# Altium PCB CU-ON-OFF-V2-08-11-18.PcbDoc (part 3 of 14)
Units mm, origin at the board's own origin, x right, y up, seen from the top; angles counter-clockwise.
Board outline 213 x 122.62 mm, 2 copper layers (Top Layer, Bottom Layer); 304 components, 53 nets, 991 pads, 702 vias.
Unrouted connection lines stored in the file: 1.
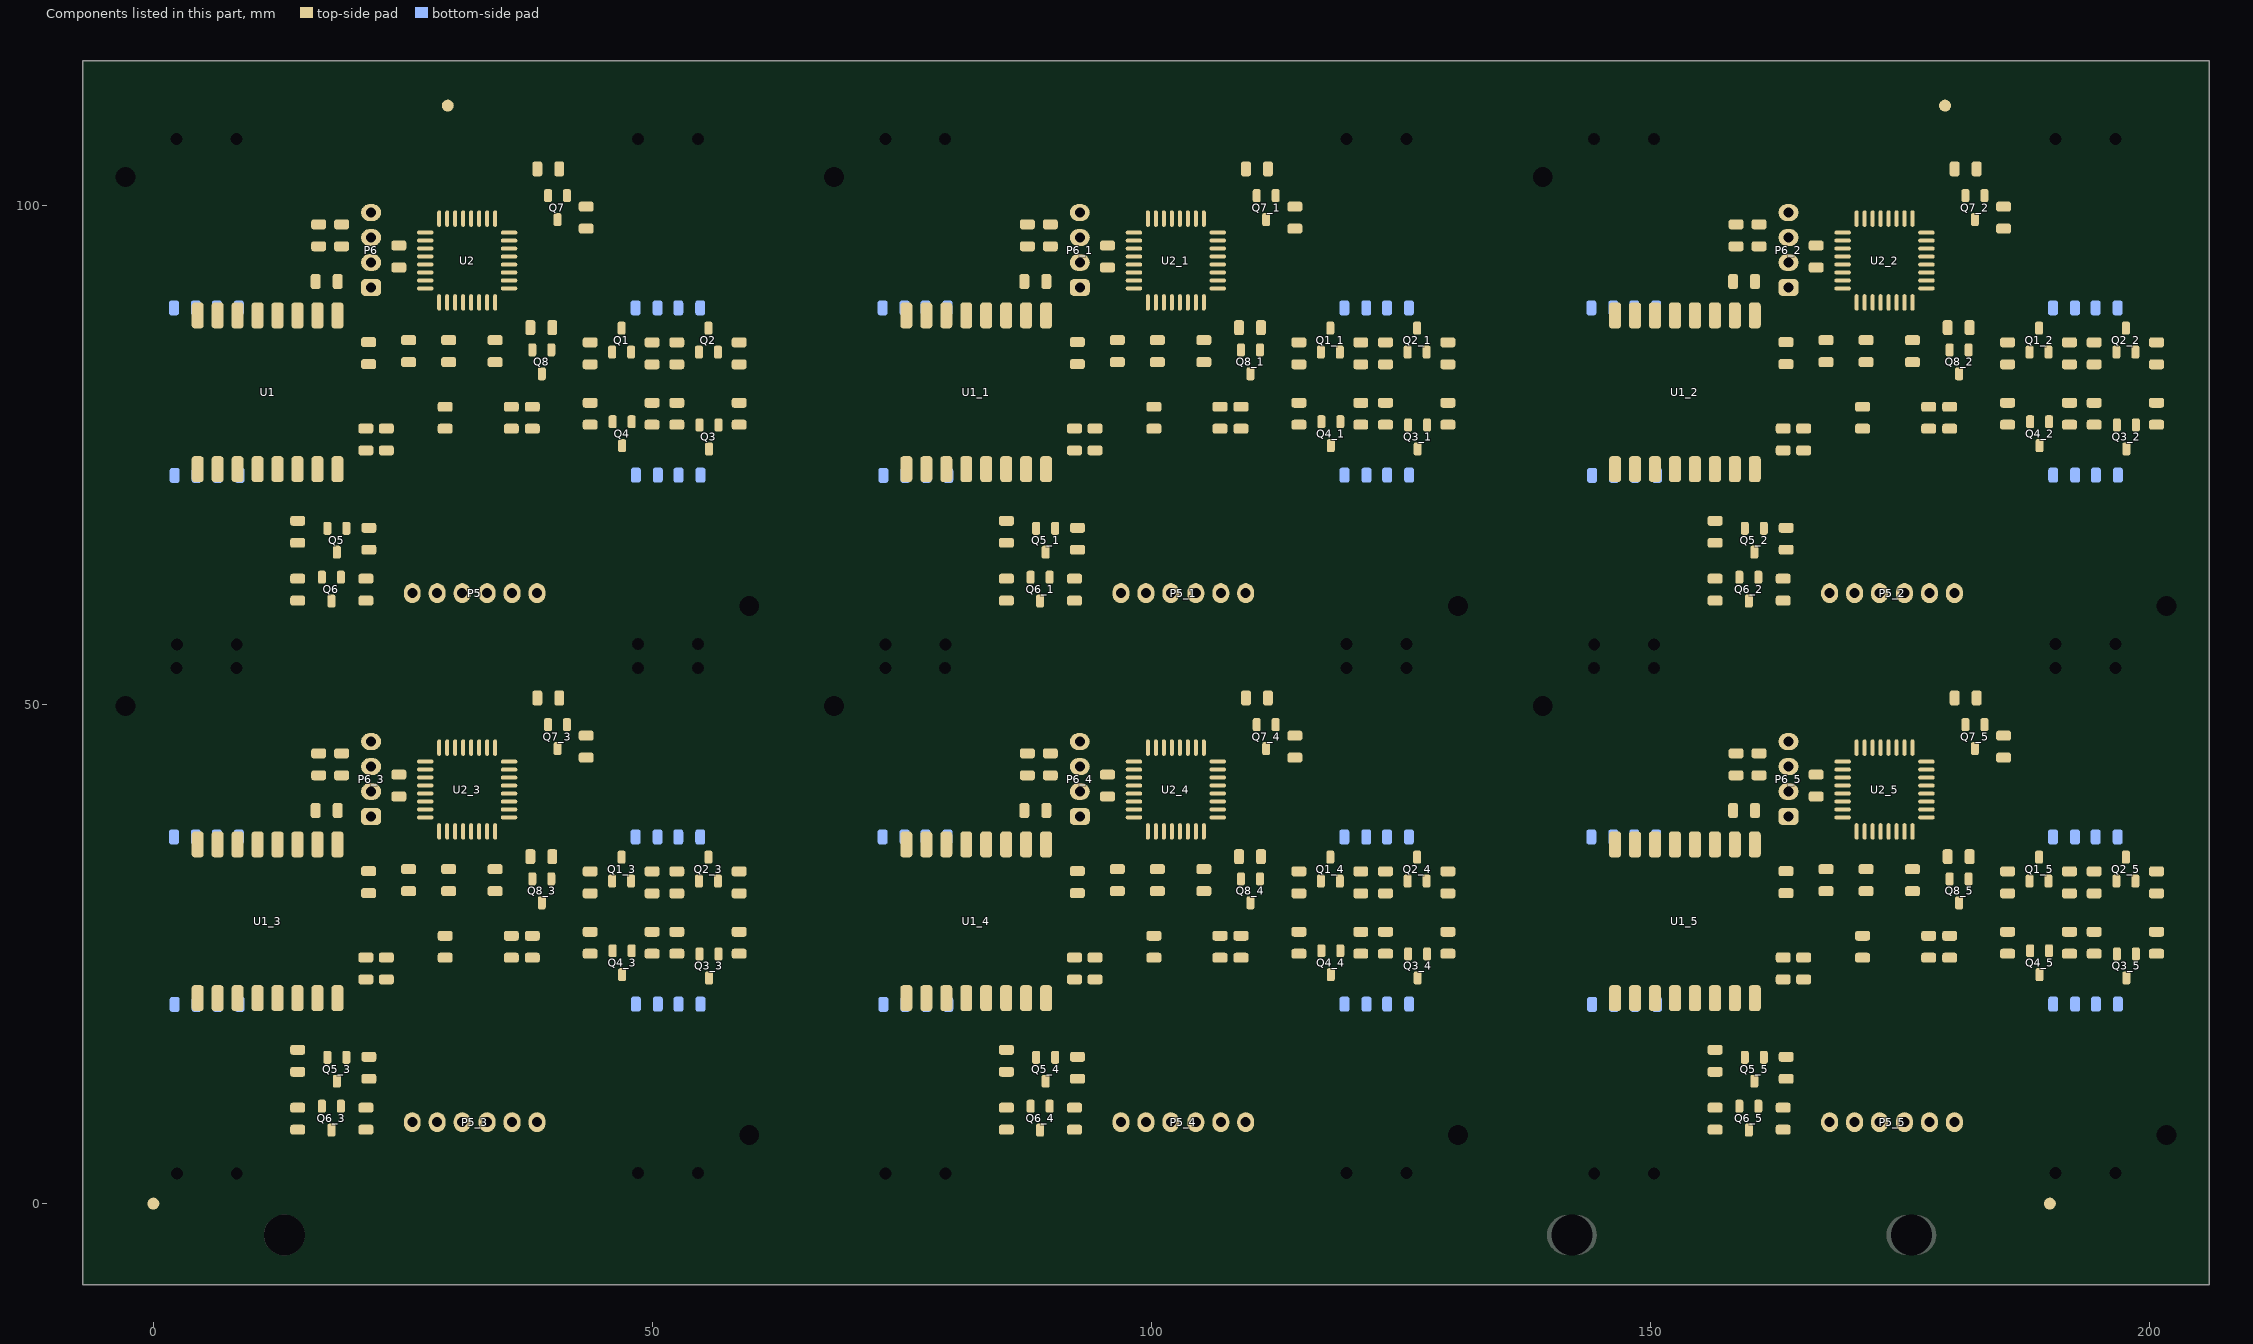
[diagram p3: the components of this part, seen from the top]

## Via types
v1: diameter 0.8, hole 0.5, Top Layer to Bottom Layer, 702 vias

## Nets (pads, with @x,y where several pads share a name; then routed paths per layer and width w, separated by ;. In a path a pad name is that pad's centre, name@x,y a point inside that pad or via, vN(x,y) a via of type N, cw(c..) or ccw(c..) an arc to the next point about the centre after c; other vN are vias at no path point) (continued)
copper on no net: (continued)
  Top Layer w0.4: 6.041,36.982 cw(c6.463,36.982) 6.165,37.281 6.441,37.557 ; 6.041,89.981 cw(c6.463,89.981) 6.165,90.28 6.441,90.556 ; 6.179,36.985 ccw(c5.684,37.557) 6.441,37.557 ; 6.691,35.982 6.441,36.232 6.441,37.557 ; 6.703,36.985 cw(c7.198,37.557) 6.441,37.557 ; 6.841,36.882 6.841,37.356 cw(c8.292,37.356) 7.266,38.382 ; 6.841,89.881 6.841,90.355 cw(c8.292,90.355) 7.266,91.381 ; 8.041,19.982 8.041,18.881 ccw(c9.065,18.881) 8.341,18.157 ccw(c8.884,18.7) 8.884,17.932 9.921,17.932 ; 8.041,36.957 cw(c9.127,36.957) 8.359,37.725 8.441,37.807 ; 8.041,72.981 8.041,71.88 ccw(c9.065,71.88) 8.341,71.156 ccw(c8.884,71.699) 8.884,70.931 9.921,70.931 ; 8.041,89.956 cw(c9.127,89.956) 8.359,90.724 8.441,90.806 ; 8.158,19.599 cw(c7.475,18.916) 8.441,18.916 cw(c9.407,18.916) 8.724,19.599 ; 8.158,36.965 ccw(c7.475,37.648) 8.441,37.648 ccw(c9.407,37.648) 8.724,36.965 ; v1@8.283,48.85 ccw(c8.283,49.273) v1@8.582,48.974 ; v1@8.308,13.825 ccw(c8.308,14.248) v1@8.607,13.949 ; v1@8.34,13.683 11.74,17.082 29.266,17.082 31.041,18.857 31.041,37.282 ; v1@8.346,48.838 ccw(c8.05,49.352) v1@8.636,49.257 ; v1@8.371,13.813 ccw(c8.074,14.327) v1@8.661,14.232 ; v1@8.481,48.756 cw(c8.969,48.474) v1@8.869,49.028 ; v1@8.506,13.731 cw(c8.994,13.449) v1@8.894,14.003 ; v1@8.508,13.625 cw(c9.051,13.625) v1@8.667,14.009 ; v1@8.633,49.225 cw(c8.15,49.225) 8.492,48.884 cw(c8.833,48.542) v1@8.833,49.025 ; v1@8.642,49.034 ccw(c9.026,48.65) 8.483,48.65 v1(8.833,49.225) 11.04,51.432 31.491,51.432 32.641,50.282 32.641,45.682 ; v1@8.658,14.2 cw(c8.175,14.2) 8.517,13.859 cw(c8.858,13.517) v1@8.858,14 ; 8.691,20.582 8.441,20.332 8.441,18.582 9.091,17.932 17.891,17.932 ; 8.691,35.982 8.441,36.232 8.441,37.807 ; v1@8.833,49.425 ccw(c8.833,49.908) 9.174,49.566 ccw(c9.516,49.225) v1@9.033,49.225 ; 8.841,20.157 8.841,18.73 ccw(c9.438,18.73) 9.016,18.307 ccw(c9.921,19.212) 9.921,17.932 ; 8.841,36.557 8.841,37.9 cw(c9.22,37.9) 8.952,38.168 cw(c9.891,37.229) 9.891,38.557 ; 8.841,73.156 8.841,71.728 ccw(c9.438,71.728) 9.016,71.306 ccw(c9.921,72.211) 9.921,70.931 ; 8.841,89.556 8.841,90.899 cw(c9.22,90.899) 8.952,91.167 cw(c9.891,90.228) 9.891,91.556 ; v1@8.858,14.4 ccw(c8.858,14.883) 9.199,14.541 ccw(c9.541,14.2) v1@9.058,14.2 ; v1@9.766,33.632 ccw(c9.102,34.296) 10.041,34.296 10.041,35.132 ; 9.766,86.631 ccw(c9.102,87.295) 10.041,87.295 10.041,88.131 ; v1@9.9,33.648 ccw(c8.592,34.956) 10.441,34.956 ; 10.041,21.357 10.041,22.716 cw(c11.407,22.716) 10.441,23.682 ; 10.041,74.356 10.041,75.715 cw(c11.407,75.715) 10.441,76.681 ; 10.158,21.565 ccw(c9.475,22.248) 10.441,22.248 ccw(c11.407,22.248) 10.724,21.565 ; 10.158,34.999 cw(c9.475,34.316) 10.441,34.316 cw(c11.407,34.316) 10.724,34.999 ; v1@10.182,33.366 ccw(c9.558,33.99) 10.441,33.99 ; v1@10.222,33.443 cw(c10.694,33.199) v1@10.89,33.693 ; 10.316,17.932 9.921,17.932 ; 10.316,70.931 9.921,70.931 ; v1@10.416,33.482 10.441,33.457 10.441,35.982 ; 10.441,33.929 ccw(c11.238,33.929) v1@10.675,33.366 ; 10.441,34.895 ccw(c12.204,34.895) v1@10.957,33.648 ; 10.641,22.732 10.641,23.53 cw(c11.068,23.53) 10.766,23.832 ; 10.641,75.731 10.641,76.529 cw(c11.068,76.529) 10.766,76.831 ; 10.691,20.582 10.441,20.832 10.441,23.682 ; 10.841,21.482 10.841,23.233 cw(c12.89,23.233) 11.441,24.682 ; 10.841,35.307 10.841,34.236 ccw(c11.695,34.236) v1@11.091,33.632 ; 10.841,74.481 10.841,76.232 cw(c12.89,76.232) 11.441,77.681 ; 10.841,88.306 10.841,87.235 ccw(c11.695,87.235) 11.091,86.631 ; 12.041,21.307 ccw(c11.981,21.367) 12.066,21.367 12.066,22.582 cw(c13.454,22.582) 12.473,23.564 12.916,24.007 ; 12.041,36.882 12.041,36.991 cw(c13.407,36.991) 12.441,37.957 ; 12.041,74.306 ccw(c11.981,74.366) 12.066,74.366 12.066,75.581 cw(c13.454,75.581) 12.473,76.563 12.916,77.006 ; 12.041,89.881 12.041,89.99 cw(c13.407,89.99) 12.441,90.956 ; 12.158,21.565 ccw(c11.475,22.248) 12.441,22.248 ccw(c13.407,22.248) 12.724,21.565 ; 12.158,36.965 ccw(c11.475,37.648) 12.441,37.648 ccw(c13.407,37.648) 12.724,36.965 ; 12.641,22.732 12.641,23.449 cw(c13.324,23.449) 12.841,23.932 ; 12.641,75.731 12.641,76.448 cw(c13.324,76.448) 12.841,76.931 ; 12.691,20.582 12.441,20.832 12.441,23.532 16.674,27.765 23.249,27.765 24.016,28.532 24.016,32.932 ; 12.691,35.982 12.441,36.232 12.441,37.957 ; 12.841,21.332 12.841,23.225 cw(c14.548,23.225) 13.341,24.432 ; 12.841,36.982 12.841,37.897 cw(c13.951,37.897) 13.166,38.682 ; 12.841,74.331 12.841,76.224 cw(c14.548,76.224) 13.341,77.431 ; 12.841,89.981 12.841,90.896 cw(c13.951,90.896) 13.166,91.681 ; 12.866,8.857 12.866,8.807 ccw(c13.966,8.807) 13.966,7.707 ; 12.866,13.657 12.866,13.837 cw(c14.136,13.837) 14.136,15.107 14.616,15.107 ; 12.866,61.006 12.866,60.326 ccw(c14.136,60.326) 14.136,59.056 14.566,59.056 ; 12.866,61.856 12.866,61.806 ccw(c13.966,61.806) 13.966,60.706 ; 12.866,66.656 12.866,66.836 cw(c14.136,66.836) 14.136,68.106 14.616,68.106 ; 12.866,67.731 cw(c13.841,67.731) 13.841,68.706 14.266,68.706 ; 12.916,14.782 cw(c13.821,13.877) 14.141,15.117 ; 13.411,15.277 cw(c14.024,14.664) 14.241,15.504 ; v1@13.791,10.657 13.791,9.457 ccw(c13.941,9.457) 13.941,9.307 ; v1@13.791,12.132 cw(c13.791,12.157) 13.766,12.157 13.766,13.382 cw(c13.891,13.382) 13.891,13.507 ; 13.791,12.657 14.941,12.657 ccw(c14.941,12.732) 15.016,12.732 ; 13.791,63.656 13.791,62.456 ccw(c13.941,62.456) 13.941,62.306 ; 13.791,65.131 cw(c13.791,65.156) 13.766,65.156 13.766,66.381 cw(c13.891,66.381) 13.891,66.506 ; 13.791,65.656 14.941,65.656 ccw(c14.941,65.731) 15.016,65.731 ; v1@13.942,10.522 cw(c13.6,10.181) 14.083,10.181 cw(c14.566,10.181) v1@14.224,10.522 ; v1@13.955,6.508 ccw(c13.42,7.407) 14.466,7.407 ; v1@13.955,12.308 ccw(c13.42,13.207) 14.466,13.207 ; v1@13.983,10.49 cw(c13.747,10.081) 14.203,10.203 ; 13.993,15.206 ccw(c13.541,14.798) 13.541,15.407 ; 13.993,15.608 cw(c13.541,16.016) 13.541,15.407 ; 14.004,7.195 ccw(c13.492,6.683) 13.492,7.407 ccw(c13.492,8.131) 14.004,7.619 ; v1@14.083,10.652 ccw(c15.261,10.652) 14.428,9.819 ; v1(14.083,10.664) 14.083,9.99 14.466,9.607 ; 14.158,21.565 ccw(c13.475,22.248) 14.441,22.248 ccw(c15.407,22.248) 14.724,21.565 ; v1@14.16,6.165 ccw(c13.839,6.703) 14.466,6.703 ; v1@14.16,11.965 ccw(c13.84,12.503) 14.466,12.503 ; 14.207,63.189 ccw(c14.24,63.189) 14.24,63.156 14.991,63.156 ; 14.254,12.995 cw(c13.742,12.483) 14.466,12.483 cw(c15.19,12.483) 14.678,12.995 ; v1@14.256,10.564 ccw(c14.683,10.317) 14.207,10.19 ccw(c14.24,10.19) 14.24,10.157 14.991,10.157 ; 14.258,7.191 cw(c13.791,6.703) 14.466,6.703 ; 14.266,15.707 13.841,15.707 ccw(c13.841,14.732) 12.866,14.732 ; 14.347,12.926 ccw(c15.198,13.154) v1@14.9,12.325 ; 14.35,7.137 ccw(c15.227,7.373) v1@14.904,6.523 ; 14.441,76.356 ccw(c15.407,75.39) 14.041,75.39 14.041,74.306 14.041,74.931 cw(c16.516,74.931) 14.766,76.681 ccw(c15.068,76.379) 14.641,76.379 14.641,75.456 ; 14.466,6.652 ccw(c15.047,6.652) v1@14.72,6.171 ; v1@14.466,12.157 14.466,13.207 ; 14.466,12.452 ccw(c15.047,12.452) v1@14.721,11.971 ; 14.466,15.407 13.541,15.407 ; v1@14.566,6.057 14.136,6.057 cw(c14.136,7.327) 12.866,7.327 12.866,8.007 ; v1@14.633,6.337 ccw(c14.15,6.337) 14.491,6.678 ccw(c14.833,7.019) v1@14.833,6.537 ; 14.641,22.457 14.641,23.38 cw(c15.068,23.38) 14.766,23.682 ccw(c16.516,21.932) 14.041,21.932 14.041,21.307 14.041,22.391 cw(c15.407,22.391) 14.441,23.357 ; 14.674,7.191 ccw(c15.141,6.703) 14.466,6.703 ; 14.691,20.582 14.441,20.832 14.441,23.357 ; v1(14.833,6.337) 14.466,6.703 ; 14.841,21.332 14.841,23.05 cw(c16.548,23.05) 15.341,24.257 ; 14.841,74.331 14.841,76.049 cw(c16.548,76.049) 15.341,77.256 ; v1@14.945,6.502 cw(c15.56,7.407) 14.466,7.407 ; v1@14.945,12.302 cw(c15.56,13.207) 14.466,13.207 ; 14.966,13.482 cw(c14.966,13.332) 15.116,13.332 15.116,12.207 cw(c15.066,12.207) v1@15.066,12.157 ; 14.966,66.481 cw(c14.966,66.331) 15.116,66.331 15.116,65.206 cw(c15.066,65.206) 15.066,65.156 ; 14.991,7.707 cw(c14.991,7.557) 15.141,7.557 15.141,6.407 cw(c15.066,6.407) v1@15.066,6.332 ; 14.991,9.307 ccw(c14.991,9.457) 15.141,9.457 v1@15.141,10.682 ; 14.991,60.706 cw(c14.991,60.556) 15.141,60.556 15.141,59.406 cw(c15.066,59.406) 15.066,59.331 ; 14.991,62.306 ccw(c14.991,62.456) 15.141,62.456 15.141,63.681 ; 16.016,42.832 16.016,42.069 ccw(c16.528,42.069) 16.166,41.707 ccw(c16.649,42.19) 16.649,41.507 17.016,41.507 ; 16.016,95.831 16.016,95.068 ccw(c16.528,95.068) 16.166,94.706 ccw(c16.649,95.189) 16.649,94.506 17.016,94.506 ; 16.041,34.332 16.041,33.836 ccw(c16.895,33.836) 16.291,33.232 ccw(c16.774,33.715) 16.774,33.032 16.891,33.032 ; 16.041,35.357 16.041,34.2 ccw(c16.809,34.2) 16.266,33.657 ; 16.041,36.882 16.041,38.839 cw(c16.809,38.839) 16.266,39.382 ; 16.041,87.331 16.041,86.835 ccw(c16.895,86.835) 16.291,86.231 ccw(c16.774,86.714) 16.774,86.031 16.891,86.031 ; 16.041,88.356 16.041,87.199 ccw(c16.809,87.199) 16.266,86.656 ; 16.041,89.881 16.041,91.838 cw(c16.809,91.838) 16.266,92.381 ; 16.054,38.92 cw(c15.542,38.408) 16.266,38.408 cw(c16.99,38.408) 16.478,38.92 ; 16.066,42.532 16.591,42.532 16.591,41.932 17.016,41.507 ; 16.158,21.565 ccw(c15.475,22.248) 16.441,22.248 ccw(c17.407,22.248) 16.724,21.565 ; 16.191,11.182 16.191,10.975 ccw(c16.959,10.975) 16.416,10.432 16.418,10.43 ccw(c17.016,11.027) 17.016,10.182 ; 16.191,63.456 16.191,62.743 ccw(c16.703,62.743) 16.341,62.381 ccw(c16.462,62.502) 16.462,62.331 ; 16.191,64.181 16.191,63.974 ccw(c16.959,63.974) 16.416,63.431 16.418,63.428 ccw(c17.016,64.026) 17.016,63.181 ; 16.266,33.894 cw(c17.829,33.894) 16.724,34.999 ; 16.266,38.07 ccw(c17.829,38.07) 16.724,36.965 ; 16.266,38.732 16.266,33.657 ; 16.354,95.694 16.354,94.893 cw(c16.329,94.893) 16.347,94.875 ccw(c16.816,95.345) 16.816,94.681 ; 16.441,76.431 ccw(c17.407,75.465) 16.041,75.465 16.041,74.456 16.041,74.829 cw(c18.943,74.829) 16.891,76.881 ; v1@16.456,7.041 cw(c17.068,6.608) 17.068,7.357 ; 16.466,10.182 16.466,9.342 cw(c16.451,9.342) 16.462,9.332 ; 16.466,45.107 18.866,45.107 18.866,47.282 19.636,48.052 ; 16.466,63.181 16.466,62.341 cw(c16.451,62.341) 16.462,62.331 ; v1@16.471,7.566 ccw(c16.941,7.99) 16.941,7.357 ; 16.541,39.357 16.541,37.781 ccw(c17.565,37.781) 16.841,37.057 ; 16.541,92.356 16.541,90.78 ccw(c17.565,90.78) 16.841,90.056 ; 16.566,34.807 16.566,33.946 ccw(c16.781,33.946) 16.629,33.794 cw(c16.117,33.282) 16.841,33.282 ; 16.566,87.806 16.566,86.945 ccw(c16.781,86.945) 16.629,86.793 cw(c16.117,86.281) 16.841,86.281 ; 16.591,42.122 ccw(c15.781,42.122) 16.354,42.695 16.354,41.894 cw(c16.329,41.894) 16.347,41.876 ccw(c16.816,42.346) 16.816,41.682 ; 16.591,42.243 cw(c17.23,42.243) 16.778,42.695 ccw(c18.046,42.695) 17.149,41.799 17.178,41.77 cw(c16.964,41.557) 17.266,41.557 ; 16.603,14.419 cw(c17.187,13.835) 17.522,14.59 ; v1@16.616,7.907 ccw(c16.616,7.957) 16.666,7.957 cw(c16.691,7.957) 16.691,7.982 17.891,7.982 cw(c17.891,7.832) 18.041,7.832 ; 16.616,60.906 ccw(c16.616,60.956) 16.666,60.956 cw(c16.691,60.956) 16.691,60.981 17.891,60.981 cw(c17.891,60.831) 18.041,60.831 ; v1@16.619,7.5 cw(c16.619,7.017) 16.961,7.359 cw(c17.302,7.7) v1@16.819,7.7 ; v1(16.619,7.7) 16.962,7.357 17.841,7.357 ; v1@16.641,6.632 17.866,6.632 ccw(c17.866,6.807) 18.041,6.807 18.041,7.057 ccw(c17.966,7.057) 17.966,7.132 ; 16.641,59.631 17.866,59.631 ccw(c17.866,59.806) 18.041,59.806 18.041,60.056 ccw(c17.966,60.056) 17.966,60.131 ; v1@16.651,7.171 ccw(c16.389,7.561) v1@16.791,7.803 ; 16.691,20.582 16.441,20.832 16.441,23.432 ; 16.741,44.807 18.71,44.807 ; 16.741,97.806 18.71,97.806 ; v1@16.768,7.834 ccw(c17.841,8.802) 17.841,7.357 ; 16.778,95.694 ccw(c18.046,95.694) 17.149,94.798 17.178,94.769 cw(c16.964,94.556) 17.266,94.556 ; v1@16.783,6.81 cw(c17.841,6.061) 17.841,7.357 ; 16.841,21.232 16.841,23.372 cw(c17.951,23.372) 17.166,24.157 ; 16.841,35.207 16.841,33.774 ccw(c17.366,33.774) 16.995,33.403 ; 16.841,74.231 16.841,76.371 cw(c17.951,76.371) 17.166,77.156 ; 16.841,88.206 16.841,86.773 ccw(c17.366,86.773) 16.995,86.402 ; 16.866,9.332 16.462,9.332 ; 16.866,62.331 16.462,62.331 ; 16.875,10.206 cw(c16.803,11.069) 16.191,10.457 ; 16.891,9.757 16.191,10.457 ; 16.891,23.882 ccw(c18.943,21.83) 16.041,21.83 16.041,21.457 16.041,22.466 cw(c17.407,22.466) 16.441,23.432 ; v1@16.941,7.757 17.841,7.757 ; 16.941,60.756 17.841,60.756 ; 17.028,44.895 cw(c17.54,44.383) 17.54,45.107 cw(c17.54,45.831) 17.028,45.319 ; 17.116,43.007 17.116,42.155 ccw(c17.713,42.155) 17.291,41.732 ccw(c17.834,42.275) 17.834,41.507 ; 17.116,96.006 17.116,95.153 ccw(c17.713,95.153) 17.291,94.731 ccw(c17.834,95.274) 17.834,94.506 ; 17.191,17.932 ccw(c17.191,18.837) 17.831,18.197 ccw(c17.325,18.704) 18.041,18.704 18.041,19.807 ; 17.191,70.931 ccw(c17.191,71.836) 17.831,71.196 ccw(c17.325,71.703) 18.041,71.703 18.041,72.806 ; 17.316,6.632 17.316,6.832 cw(c17.7,6.832) 17.7,7.216 ccw(c17.358,6.874) 17.358,7.357 ccw(c17.358,7.84) 17.7,7.498 ; 17.316,59.631 17.316,59.831 cw(c17.7,59.831) 17.7,60.215 ; 17.36,67.223 16.884,67.223 ccw(c16.884,66.738) 16.541,67.081 ccw(c17.386,66.236) 16.191,66.236 16.191,66.131 16.191,67.207 ; v1@17.466,11.557 17.466,11.532 18.266,11.532 ccw(c18.266,11.857) 18.591,11.857 ; v1@17.466,12.907 18.591,12.907 18.591,12.507 ; 17.466,15.107 16.913,15.107 ; 17.466,64.556 17.466,64.531 18.266,64.531 ccw(c18.266,64.856) 18.591,64.856 ; 17.466,65.906 18.591,65.906 18.591,65.506 ; 17.466,68.106 16.913,68.106 ; v1@17.47,12.475 v1@17.627,12.632 ; v1@17.611,12.459 cw(c18.03,12.04) 18.03,12.632 ; v1@17.611,12.741 ccw(c17.876,13.006) 17.876,12.632 ; v1@17.613,12.46 cw(c17.851,12.226) 17.938,12.549 ; 17.616,14.807 17.616,15.616 cw(c17.957,15.616) 17.716,15.857 cw(c18.44,15.133) 18.44,16.157 18.991,16.157 ; 17.616,67.806 17.616,68.615 cw(c17.957,68.615) 17.716,68.856 cw(c18.44,68.132) 18.44,69.156 18.991,69.156 ; 17.641,14.807 17.641,15.193 cw(c18.58,15.193) 17.916,15.857 cw(c18.64,15.133) 18.64,16.157 19.391,16.157 ; 17.641,67.806 17.641,68.192 cw(c18.58,68.192) 17.916,68.856 cw(c18.64,68.132) 18.64,69.156 19.391,69.156 ; 17.816,69.156 17.315,69.156 ccw(c17.315,68.132) 16.591,68.856 ccw(c17.557,67.89) 16.191,67.89 16.191,67.207 ; 17.891,33.032 cw(c17.891,34.299) 16.995,33.403 ; 17.891,86.031 cw(c17.891,87.298) 16.995,86.402 ; 17.991,11.557 ccw(c17.991,11.596) 18.03,11.596 ; 17.991,64.556 ccw(c17.991,64.595) 18.03,64.595 ; 18.041,21.307 18.041,22.406 cw(c19.492,22.406) 18.466,23.432 ; 18.041,74.306 18.041,75.405 cw(c19.492,75.405) 18.466,76.431 ; 18.158,19.599 cw(c17.415,18.856) 18.466,18.856 ; 18.158,21.565 ccw(c17.415,22.308) 18.466,22.308 ; 18.158,89.964 ccw(c18.139,89.983) 18.166,89.983 18.166,92.031 ; 18.166,39.032 18.166,36.984 cw(c18.139,36.984) 18.158,36.965 ccw(c17.415,37.708) 18.466,37.708 ; 18.241,19.732 ccw(c18.262,19.711) 18.232,19.711 18.232,18.073 cw(c17.891,18.415) 17.891,17.932 ; 18.241,23.007 18.241,20.992 ccw(c18.326,20.992) 18.266,20.932 ; 18.241,72.731 ccw(c18.262,72.71) 18.232,72.71 18.232,71.072 cw(c17.891,71.414) 17.891,70.931 18.158,70.931 ccw(c18.158,71.614) 18.641,71.131 ccw(c18.158,71.614) 18.841,71.614 18.841,74.481 ; 18.241,76.006 18.241,73.991 ccw(c18.326,73.991) 18.266,73.931 ; 18.247,12.368 ccw(c17.627,11.772) v1@17.627,12.632 ; 18.254,38.92 cw(c17.742,38.408) 18.466,38.408 cw(c19.19,38.408) 18.678,38.92 ; 18.391,12.632 v1@17.627,12.632 ; 18.404,44.895 ccw(c17.892,44.383) 17.892,45.107 ccw(c17.892,45.831) 18.404,45.319 ; 18.441,35.982 18.943,36.349 21.988,36.349 ccw(c21.988,37.785) 22.991,36.757 ccw(c21.988,37.785) 23.003,36.77 ; 18.466,18.977 cw(c19.346,18.977) 18.724,19.599 ; 18.466,37.587 ccw(c19.346,37.587) 18.724,36.965 ccw(c18.622,37.067) 18.766,37.067 18.766,39.182 ; 18.466,39.382 18.466,35.982 22.216,35.982 23.003,36.77 ; 18.466,75.186 cw(c20.505,75.186) 19.063,76.628 19.178,76.743 ccw(c18.964,76.956) 19.266,76.956 ; 18.541,20.382 18.441,20.582 18.466,20.582 ; 18.591,9.332 ccw(c18.712,9.332) 18.626,9.247 20.741,7.132 ; 18.591,62.331 ccw(c18.712,62.331) 18.626,62.246 20.741,60.131 ; 18.654,98.318 18.654,99.79 cw(c20.113,99.79) 19.081,100.821 cw(c19.636,100.266) 19.636,101.051 ; 18.666,45.382 16.926,45.382 cw(c16.926,45.467) 16.866,45.407 ccw(c17.047,45.588) 17.047,45.332 19.066,45.332 ; 18.666,98.381 16.926,98.381 cw(c16.926,98.466) 16.866,98.406 ccw(c17.047,98.587) 17.047,98.331 19.066,98.331 ; 18.724,20.299 cw(c19.407,19.616) 19.407,20.582 cw(c19.407,21.548) 18.724,20.865 ; 18.724,21.565 cw(c19.346,22.187) 18.466,22.187 cw(c20.505,22.187) 19.063,23.629 19.178,23.744 ccw(c18.964,23.957) 19.266,23.957 ; 18.724,35.699 cw(c19.407,35.016) 19.407,35.982 cw(c19.407,36.948) 18.724,36.265 ; 18.724,89.964 ccw(c18.622,90.066) 18.766,90.066 18.766,92.181 ; 18.791,9.757 18.791,9.332 20.716,7.407 21.291,7.407 ; 18.841,21.232 18.841,22.342 cw(c21.231,22.342) 19.541,24.032 cw(c20.386,23.187) 20.386,24.382 21.341,24.382 ; 18.841,21.482 18.841,18.615 cw(c18.158,18.615) 18.641,18.132 cw(c18.158,18.615) 18.158,17.932 17.891,17.932 ; 18.841,74.231 18.841,75.341 cw(c21.231,75.341) 19.541,77.031 cw(c20.386,76.186) 20.386,77.381 21.341,77.381 ; 18.841,94.506 17.834,94.506 ; 18.991,9.507 ccw(c19.896,9.507) 19.256,8.867 ; 18.991,20.082 19.074,20.082 cw(c19.074,18.29) 20.341,19.557 20.543,19.355 cw(c19.946,18.757) v1@20.791,18.757 ; 18.991,73.081 19.074,73.081 cw(c19.074,71.289) 20.341,72.556 20.543,72.353 cw(c19.946,71.756) 20.791,71.756 ; 19.078,98.318 19.078,100.238 cw(c19.634,100.238) 19.241,100.631 ; 19.116,42.607 cw(c19.116,41.038) 20.226,42.147 ; 19.116,44.807 cw(c19.116,43.298) 20.183,44.365 ; 19.141,42.907 19.466,42.907 21.691,40.682 21.816,41.282 ; 19.241,47.632 ccw(c19.634,47.239) 19.078,47.239 19.078,45.319 cw(c19.59,45.831) 18.866,45.831 cw(c18.142,45.831) 18.654,45.319 18.654,46.791 cw(c20.113,46.791) 19.081,47.822 cw(c19.636,47.267) 19.636,48.052 ; 19.266,41.082 ccw(c18.24,40.056) 18.24,41.507 17.834,41.507 ; 19.266,45.107 19.441,45.107 ; 19.266,94.081 ccw(c18.24,93.055) 18.24,94.506 17.834,94.506 ; 19.341,14.657 21.891,14.657 ; 19.341,14.832 21.241,14.832 ; 19.341,15.107 21.935,15.107 cw(c21.935,14.851) 22.116,15.032 ; 19.341,45.357 19.341,46.962 ; 19.341,67.656 21.891,67.656 ; 19.341,68.106 21.935,68.106 cw(c21.935,67.85) 22.116,68.031 ; 19.341,98.356 19.341,99.961 ; 19.482,15.048 ccw(c20.005,15.571) 20.005,14.832 ; 19.575,42.798 ccw(c21.666,44.889) 21.666,41.932 ; 19.616,77.581 cw(c20.521,76.676) 20.521,77.956 25.534,77.956 ccw(c25.534,79.663) 26.741,78.456 ; 19.928,33.032 ccw(c19.928,34.695) 21.104,33.519 ; 19.974,8.149 ccw(c21.041,9.216) 21.041,7.707 ; 19.993,44.555 ccw(c21.323,45.885) 21.626,44.029 ; 20.125,20.582 cw(c20.125,19.416) v1@20.95,20.241 ; 20.136,24.582 ccw(c20.136,25.562) 20.829,24.869 ; 20.166,20.107 20.67,19.603 cw(c20.5,19.432) v1@20.741,19.432 ; 20.166,73.106 20.67,72.602 cw(c20.5,72.431) 20.741,72.431 ; 20.258,42.115 ccw(c21.666,43.524) 21.666,41.532 ; 20.315,14.832 cw(c20.315,13.681) 21.129,14.495 ; 20.386,39.962 ccw(c21.666,41.243) 21.666,39.432 ; 20.498,24.582 cw(c20.498,24.114) 20.829,24.445 25.429,24.445 ccw(c25.429,25.169) 25.941,24.657 ; 20.545,44.003 ccw(c21.478,44.936) 21.69,43.634 ; 20.616,33.032 21.791,33.032 ; 20.616,86.031 21.791,86.031 ; 20.627,39.721 cw(c19.688,38.782) 21.016,38.782 ; 20.741,9.557 20.741,10.216 ; 20.741,62.556 20.741,63.215 ; 20.766,96.781 21.26,96.287 ccw(c21.516,96.543) 21.516,96.181 ; 20.829,77.444 25.429,77.444 ccw(c25.429,78.168) 25.941,77.656 ; 20.894,33.032 ccw(c20.894,33.729) 21.387,33.236 ; v1@20.9,20.582 cw(c20.9,19.416) v1@21.725,20.241 ; v1@20.973,30.144 ccw(c20.128,31.307) 21.566,31.307 21.566,30.157 v1@21.741,29.982 ; 21.049,43.578 ccw(c20.766,43.484) 20.766,43.782 ; 21.049,43.986 cw(c20.766,44.08) 20.766,43.782 ; 21.104,39.245 18.841,41.507 ; v1@21.128,29.71 cw(c21.496,29.44) v1@21.753,29.817 ; 21.143,33.062 ccw(c20.985,32.838) 20.791,33.032 ; v1@21.209,29.82 ccw(c20.699,30.522) 21.566,30.522 ; 21.216,46.757 cw(c22.121,45.852) 22.121,47.132 23.966,47.132 ; 21.216,48.057 20.295,48.057 ccw(c20.295,47.203) 19.691,47.807 ccw(c20.536,46.962) 19.341,46.962 ; 21.216,99.756 cw(c22.121,98.851) 22.121,100.131 23.966,100.131 ; 21.216,101.056 20.295,101.056 ccw(c20.295,100.202) 19.691,100.806 ccw(c20.536,99.961) 19.341,99.961 ; v1@21.278,20.312 cw(c21.666,20.169) v1@21.666,20.582 ; 21.291,9.607 22.566,10.882 27.341,10.882 ; 21.316,33.307 cw(c21.919,33.307) 21.493,33.734